# Altium PCB Battman.PcbDoc (part 2 of 5)
Units mm, origin at the board's own origin, x right, y up, seen from the top; angles counter-clockwise.
Board outline 110 x 68 mm, 6 copper layers (Top Layer, Mid Layer 1, Mid Layer 2, Mid Layer 3, Mid Layer 4, Bottom Layer), stack 1.235 mm thick; 358 components, 241 nets, 1126 pads, 1797 vias.
Unrouted connection lines stored in the file: 2.
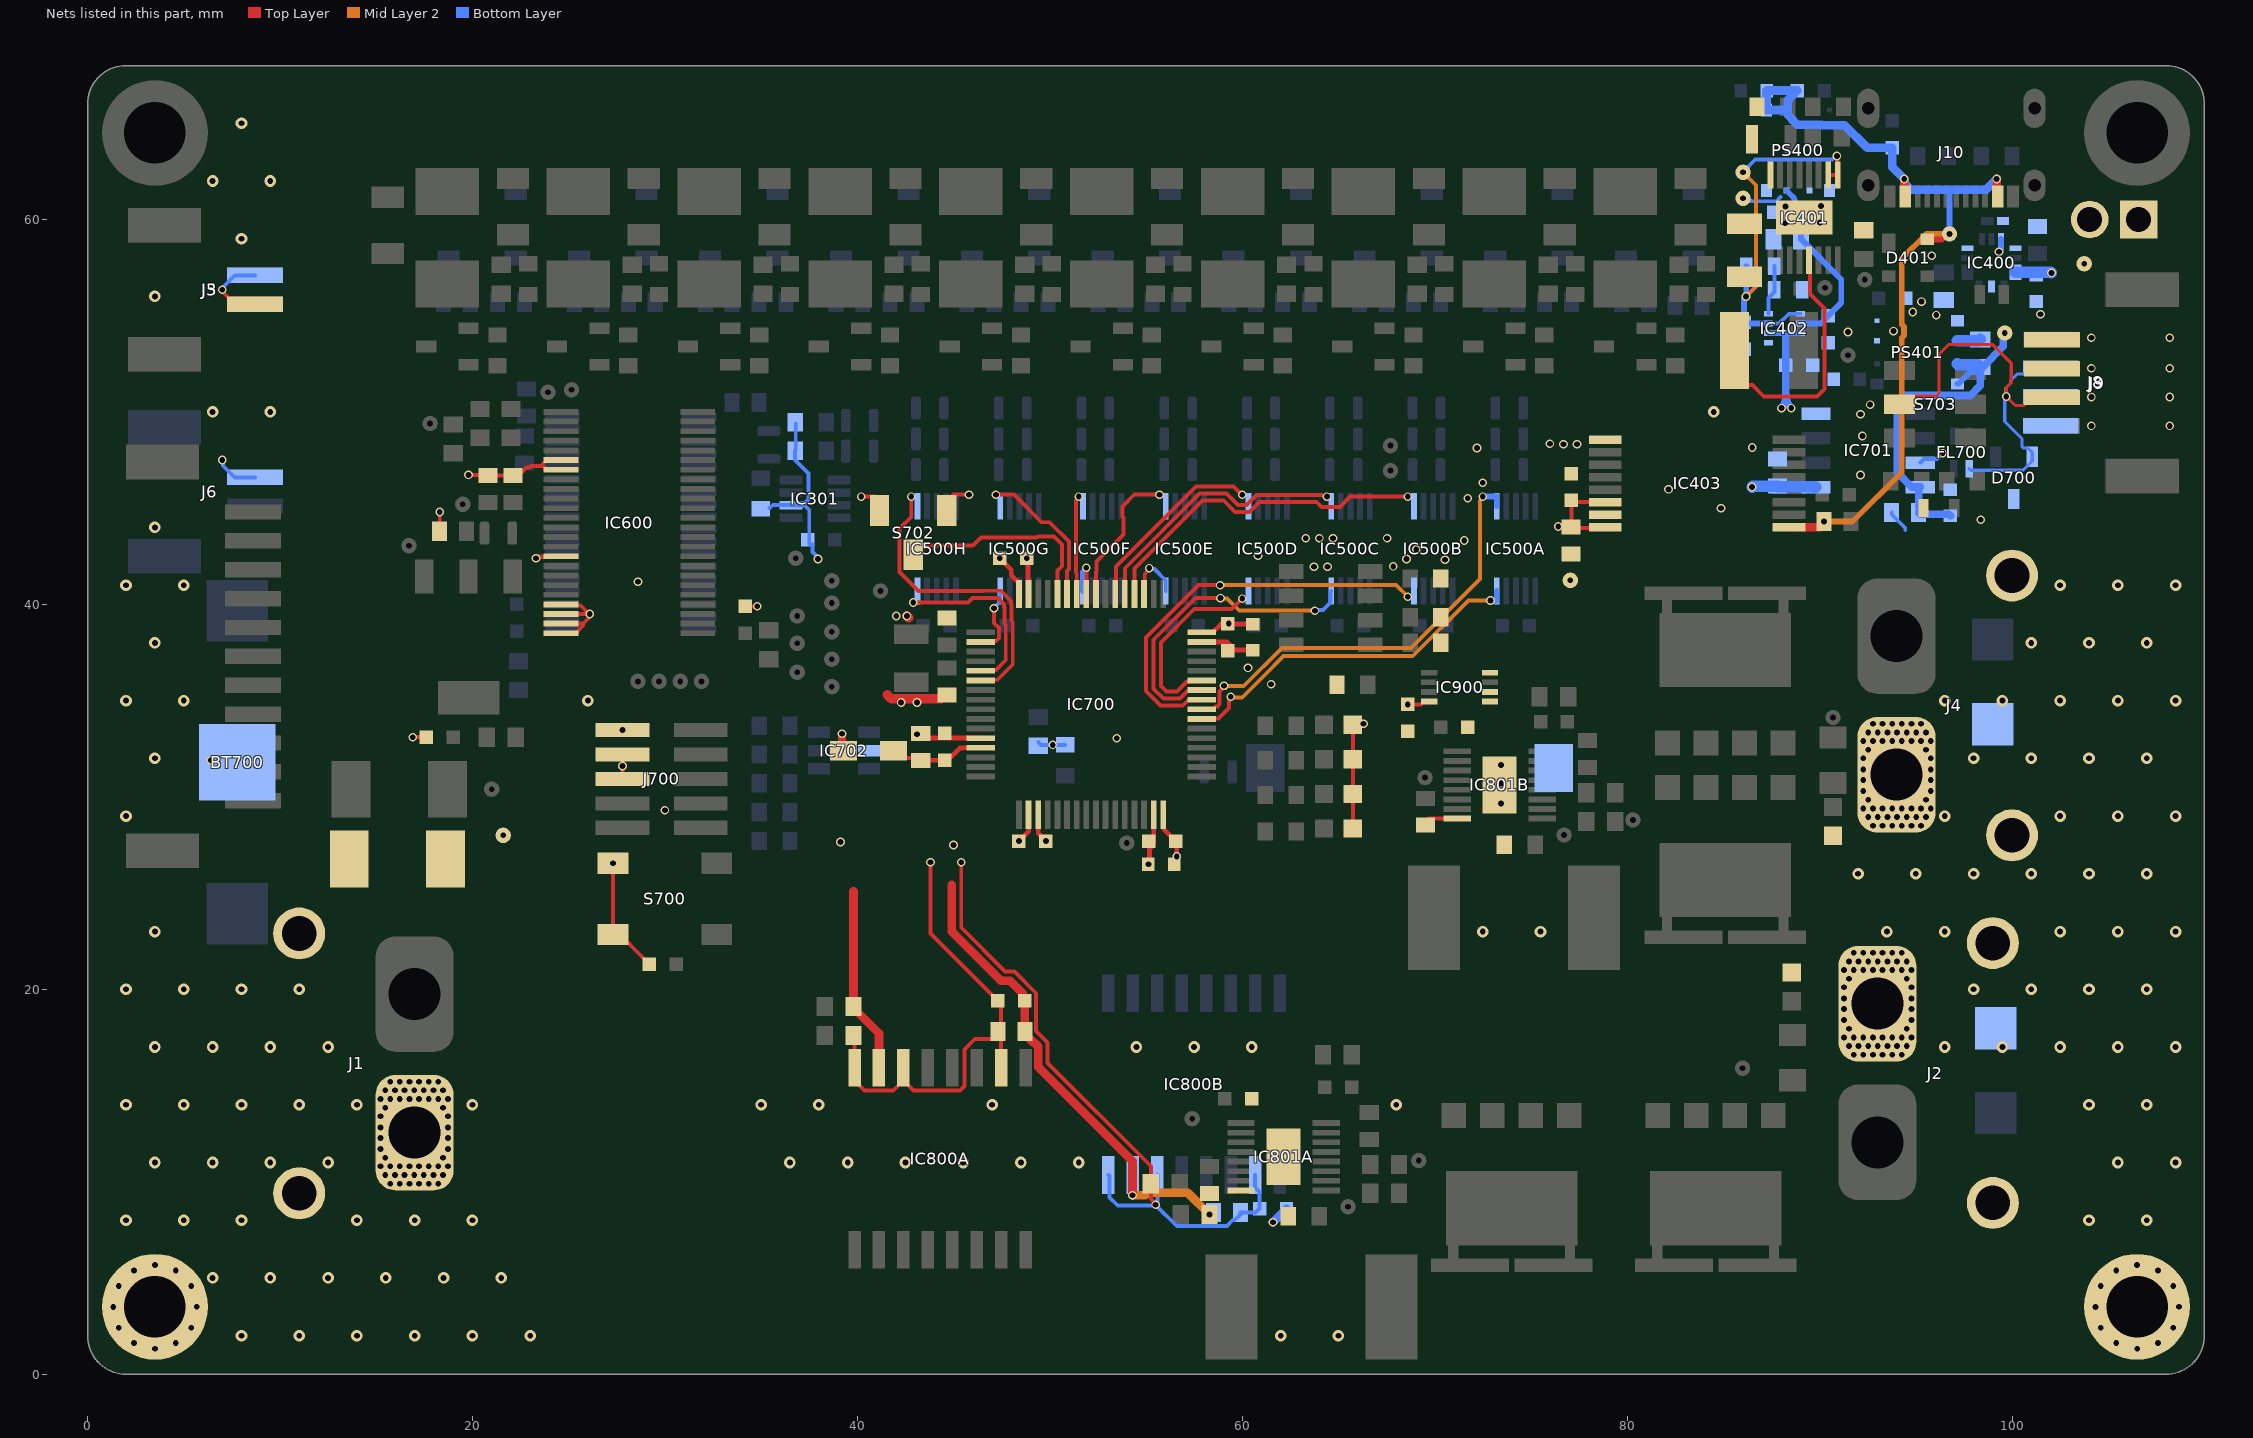
[diagram p6: the nets of this part, all layers, seen from the top]

## Footprints (in the part's own frame and the unit in brackets; to place one, negate y for a bottom-side part, rotate by r counter-clockwise, add the part's x,y. Pads: shape width x height; smd on the part's side, far side on the other; paste and mask are expansions set on the pad) (continued)
CONV_R05C1TF05S-R [mm]
  rect 0.254x0.254 smd paste-1 mask+0: 1(-1.637,2.087)
  rect 0.3x0.3 smd paste-1 mask+0: 2_3(-0.6,2.087) 4_5(0.6,2.087) 8_9(0.6,-2.087) 10_11(-0.6,-2.087)
  rect 0.575x0.675 smd: 6(1.637,2.087) 7(1.637,-2.087) 12(-1.637,-2.087)
  Top Layer region: -0.15,-2.425 -0.45,-2.425 -0.45,-2.3 -0.75,-2.3 -0.75,-2.425 -1.05,-2.425 -1.05,-1.75 -0.15,-1.75
  Top Layer region: -0.15,1.75 -1.05,1.75 -1.05,2.425 -0.75,2.425 -0.75,2.3 -0.45,2.3 -0.45,2.425 -0.15,2.425
  Top Layer region: 1.05,1.75 0.15,1.75 0.15,2.425 0.45,2.425 0.45,2.3 0.75,2.3 0.75,2.425 1.05,2.425
  Top Layer region: 1.05,-2.425 0.75,-2.425 0.75,-2.3 0.45,-2.3 0.45,-2.425 0.15,-2.425 0.15,-1.75 1.05,-1.75
  Top Layer region: -1.35,1.9 -1.5,1.75 -1.925,1.75 -1.925,2.425 -1.35,2.425
  silkscreen extent -2.6,-1.25 2,2.2, body extent -2,-2.51 2,2.49, height 1.12
CPT162580SMTTR [mm]
  rect 2.5x2 smd: 1(0,-7.5) 2(0,7.5)
  silkscreen extent -6.5,-9.1 6.5,6.5, body extent -6.5,-8.3 6.5,8.3, height 3.1
DFE18SAN1R0ME0L [mm]
  rect 0.55x1 smd: 1(-0.625,0) 2(0.625,0)
  silkscreen extent 0,-0.4 0,0.4, body extent -0.8,-0.4 0.8,0.4, height 0.8
DIOM5436X244N [mm]
  rect 2.2x2.15 smd: 1(-2.2,0) 2(2.2,0)
  silkscreen extent -3.27,-1.81 2.7,1.81, body extent -2.7,-1.81 2.7,1.81, height 2.44
ERA3AEB101V [mm]
  rect 0.65x0.9 smd: 1(-0.725,0) 2(0.725,0)
  silkscreen extent -1.35,-0.05 -1.25,0.05, body extent -0.8,-0.4 0.8,0.4, height 0.45
ERJP06D1000V [mm]
  rect 1.15x1.4 smd: 1(-1.175,0) 2(1.175,0)
  silkscreen extent -2.2,-0.1 -2,0.1, body extent -1,-0.63 1,0.63, height 0.6
FC135327680KAAG0 [mm]
  rect 1x1.8 smd: 1(-1.25,0) 2(1.25,0)
  silkscreen extent -2.3,-0.75 0.4,0.75, body extent -1.6,-0.75 1.6,0.75, height 0.9
FP-742792097-MFG [mm]
  rect 1.4x1 smd paste+0 mask+0: 1(-1.3,0) 2(1.3,0)
  silkscreen extent -1.1,-0.9 1.1,0.9
FTSH10501LDVK [mm]
  rect 0.74x2.79 smd: 1(-2.54,0) 2(-2.54,4.07) 3(-1.27,0) 4(-1.27,4.07) 5(0,0) 6(0,4.07) 7(1.27,0) 8(1.27,4.07) 9(2.54,0) 10(2.54,4.07)
  silkscreen extent -2.6,-2.25 -2.5,-2.15, body extent -3.18,-0.92 3.17,4.93, height 6.13
FUSC3215X66N [mm]
  rect 1.1x1.67 smd: 1(-1.46,0) 2(1.46,0)
  silkscreen extent 0,-0.66 0,0.66, body extent -1.59,-0.76 1.59,0.76, height 0.66
FUSC6127X294N [mm]
  rect 2.02x2.95 smd: 1(-2.5,0) 2(2.5,0)
  silkscreen extent 0,-1.24 0,1.24, body extent -3.05,-1.35 3.05,1.35, height 2.94
GRM18x [mm]
  rect 0.65x0.7 smd: 1(-0.675,0) 2(0.675,0)
  silkscreen extent 0,-0.4 0,0.4, body extent -0.8,-0.45 0.8,0.45, height 0.8
HDRV2W110P0X254_1X2_508X254X854P [mm]
  rect 1.95x1.95 hole 1.3: 1(0,0)
  round 1.95 hole 1.3: 2(2.54,0)
  silkscreen extent -1.35,-1.35 3.89,1.35, body extent -1.27,-1.27 3.81,1.27, height 8.54
LEDC1608X80N [mm]
  rect 0.95x0.95 smd: 1(-0.75,0) 2(0.75,0)
  silkscreen extent -1.58,-0.82 0.75,0.82, body extent -0.83,-0.4 0.77,0.4, height 0.7
MAJx16 [mm]
  rect 0.7x0.7 smd: 1(-0.7,0) 2(0.7,0)
  silkscreen extent -1.6,-0.4 0,0.4, body extent -0.98,-0.4 0.98,0.4, height 0.9
MAX77827BEFDT [mm]
  rect 0.625x0.3 smd mask+0.05: 1(-1.238,0.5) 2(-1.238,0) 3(-1.238,-0.5)
  rect 0.3x0.625 smd mask+0.05: 4(-0.75,-1.238) 5(-0.25,-1.238) 13(-0.25,1.237) 14(-0.75,1.237)
  rect 0.8x0.625 smd mask+0.05: 6(0.5,-1.238) 11(0.5,1.237)
  rect 0.625x0.35 smd mask+0.05: 8(1.237,-0.65) 9(1.237,0) 10(1.237,0.65)
  silkscreen extent -2.05,0.45 -1.95,0.55, body extent -1.25,-1.25 1.25,1.25, height 0.6
MJTP1140A [mm]
  rect 1.1x1.6 smd: 1(-1.85,-2.7) 1(1.85,-2.7) 2(-1.85,2.7) 2(1.85,2.7)
  silkscreen extent -2.2,-2.2 2.2,2.2, body extent -2.29,-3.39 2.29,3.39, height 1.6
PRTR5V0U2X [mm]
  rect 1x0.7 smd: 1(-0.75,-1)
  rect 0.6x0.7 smd: 2(0.95,-1) 3(0.95,1) 4(-0.95,1)
  silkscreen extent -1.7,-1.15 1.45,0.7, body extent -1.46,-1.2 1.44,1.2, height 0.95
QFP50P1200X1200X160-64N [mm]
  rect 1.475x0.3 smd mask+0.05: 1(-5.738,3.75) 2(-5.738,3.25) 3(-5.738,2.75) 4(-5.738,2.25) 5(-5.738,1.75) 6(-5.738,1.25) 7(-5.738,0.75) 8(-5.738,0.25) 9(-5.738,-0.25) 10(-5.738,-0.75) 11(-5.738,-1.25) 12(-5.738,-1.75) 13(-5.738,-2.25) 14(-5.738,-2.75) 15(-5.738,-3.25) 16(-5.738,-3.75) 33(5.738,-3.75) 34(5.738,-3.25) 35(5.738,-2.75) 36(5.738,-2.25) 37(5.738,-1.75) 38(5.738,-1.25) 39(5.738,-0.75) 40(5.738,-0.25) 41(5.738,0.25) 42(5.738,0.75) 43(5.738,1.25) 44(5.738,1.75) 45(5.738,2.25) 46(5.738,2.75) 47(5.738,3.25) 48(5.738,3.75)
  rect 0.3x1.475 smd mask+0.05: 17(-3.75,-5.738) 18(-3.25,-5.738) 19(-2.75,-5.738) 20(-2.25,-5.738) 21(-1.75,-5.738) 22(-1.25,-5.738) 23(-0.75,-5.738) 24(-0.25,-5.738) 25(0.25,-5.738) 26(0.75,-5.738) 27(1.25,-5.738) 28(1.75,-5.738) 29(2.25,-5.738) 30(2.75,-5.738) 31(3.25,-5.738) 32(3.75,-5.738) 49(3.75,5.738) 50(3.25,5.738) 51(2.75,5.738) 52(2.25,5.738) 53(1.75,5.738) 54(1.25,5.738) 55(0.75,5.738) 56(0.25,5.738) 57(-0.25,5.738) 58(-0.75,5.738) 59(-1.25,5.738) 60(-1.75,5.738) 61(-2.25,5.738) 62(-2.75,5.738) 63(-3.25,5.738) 64(-3.75,5.738)
  silkscreen extent -6.35,-4.65 4.65,4.65, body extent -6,-6 6,6, height 1.31
RESC0603X26N [mm]
  rect 0.625x0.4 smd mask+0.05: 1(-0.412,0) 2(0.412,0)
  body extent -0.3,-0.15 0.3,0.15, height 0.23
RESC1608X50N [mm]
  rect 0.85x1 smd: 1(-0.75,0) 2(0.75,0)
  body extent -0.77,-0.43 0.78,0.42, height 0.45
RESC1608X55N [mm]
  rect 0.8x0.95 smd: 1(-0.8,0) 2(0.8,0)
  silkscreen extent 0,-0.3 0,0.3, body extent -0.8,-0.4 0.8,0.4, height 0.55
RESC6331X80N [mm]
  rect 2.45x3.3 smd: 1(-2.4,0) 2(2.4,0)
  silkscreen extent 0,-1.45 0,1.45, body extent -3.15,-1.55 3.15,1.55, height 0.8
RESC10052X63N [mm]
  rect 2.7x5.45 smd: 1(-4.15,0) 2(4.15,0)
  silkscreen extent 0,-2.5 0,2.5, body extent -5,-2.6 5,2.6, height 0.63
SOD3716X135N [mm]
  rect 1.15x0.8 smd: 1(-1.75,0) 2(1.75,0)
  silkscreen extent -2.32,-0.8 1.35,0.8, body extent -1.86,-0.8 1.86,0.8, height 1.35
SOIC127P600X175-8N [mm]
  rect 1.525x0.65 smd: 1(-2.712,1.905) 2(-2.712,0.635) 3(-2.712,-0.635) 4(-2.712,-1.905) 5(2.712,-1.905) 6(2.712,-0.635) 7(2.712,0.635) 8(2.712,1.905)
  silkscreen extent -3.47,-2.45 1.6,2.58, body extent -3,-2.45 3,2.45, height 1.75
SOIC127P1030X265-16N [mm]
  rect 1.95x0.65 smd: 1(-4.725,4.445) 2(-4.725,3.175) 3(-4.725,1.905) 4(-4.725,0.635) 5(-4.725,-0.635) 6(-4.725,-1.905) 7(-4.725,-3.175) 8(-4.725,-4.445) 9(4.725,-4.445) 10(4.725,-3.175) 11(4.725,-1.905) 12(4.725,-0.635) 13(4.725,0.635) 14(4.725,1.905) 15(4.725,3.175) 16(4.725,4.445)
  silkscreen extent -5.7,-5.15 3.4,5.15, body extent -5.16,-5.2 5.16,5.19, height 2.57
SOLDERJUMPER [mm]
  rrect50% 1.2x0.5 smd paste-100 mask+0.1: 1(0,-0.775) 2(0,0.675)
  Top Layer region: -0.6,0.675 -0.6,-0.175 0,0.425 0.6,-0.175 0.6,0.675
  Top Layer region: -0.6,-0.475 0,0.125 0.6,-0.475 0.6,-0.775 -0.6,-0.775
SOP50P310X90-8N [mm]
  rect 0.85x0.3 smd mask+0.05: 1(-1.575,0.75) 2(-1.575,0.25) 3(-1.575,-0.25) 4(-1.575,-0.75) 5(1.575,-0.75) 6(1.575,-0.25) 7(1.575,0.25) 8(1.575,0.75)
  silkscreen extent -2,-1 0.8,1.25, body extent -1.55,-1 1.55,1, height 0.77
SOP50P490X110-10N [mm]
  rect 1.4x0.3 smd mask+0.05: 1(-2.2,1) 2(-2.2,0.5) 3(-2.2,0) 4(-2.2,-0.5) 5(-2.2,-1) 6(2.2,-1) 7(2.2,-0.5) 8(2.2,0) 9(2.2,0.5) 10(2.2,1)
  silkscreen extent -2.9,-1.5 1.15,1.5, body extent -2.45,-1.5 2.45,1.5, height 1.1
SOP50P490X110-17N [mm]
  rect 1.425x0.3 smd mask+0.05: 1(-2.212,1.75) 2(-2.212,1.25) 3(-2.212,0.75) 4(-2.212,0.25) 5(-2.212,-0.25) 6(-2.212,-0.75) 7(-2.212,-1.25) 8(-2.212,-1.75) 9(2.212,-1.75) 10(2.212,-1.25) 11(2.212,-0.75) 12(2.212,-0.25) 13(2.212,0.25) 14(2.212,0.75) 15(2.212,1.25) 16(2.212,1.75)
  rect 1.753x2.947 smd: 17(0,0)
  silkscreen extent -2.93,2.25 -1.5,2.25, body extent -2.45,-2.02 2.45,2.02, height 1.1
SOP50P780X200-48N [mm]
  rect 1.8x0.3 smd mask+0.05: 1(-3.55,5.75) 2(-3.55,5.25) 3(-3.55,4.75) 4(-3.55,4.25) 5(-3.55,3.75) 6(-3.55,3.25) 7(-3.55,2.75) 8(-3.55,2.25) 9(-3.55,1.75) 10(-3.55,1.25) 11(-3.55,0.75) 12(-3.55,0.25) 13(-3.55,-0.25) 14(-3.55,-0.75) 15(-3.55,-1.25) 16(-3.55,-1.75) 17(-3.55,-2.25) 18(-3.55,-2.75) 19(-3.55,-3.25) 20(-3.55,-3.75) 21(-3.55,-4.25) 22(-3.55,-4.75) 23(-3.55,-5.25) 24(-3.55,-5.75) 25(3.55,-5.75) 26(3.55,-5.25) 27(3.55,-4.75) 28(3.55,-4.25) 29(3.55,-3.75) 30(3.55,-3.25) 31(3.55,-2.75) 32(3.55,-2.25) 33(3.55,-1.75) 34(3.55,-1.25) 35(3.55,-0.75) 36(3.55,-0.25) 37(3.55,0.25) 38(3.55,0.75) 39(3.55,1.25) 40(3.55,1.75) 41(3.55,2.25) 42(3.55,2.75) 43(3.55,3.25) 44(3.55,3.75) 45(3.55,4.25) 46(3.55,4.75) 47(3.55,5.25) 48(3.55,5.75)
  silkscreen extent -4.45,-6.4 2.3,6.4, body extent -3.9,-6.4 3.9,6.4, height 2
SOP65P780X200-36N [mm]
  rect 1.8x0.45 smd mask+0.05: 1(-3.55,5.525) 2(-3.55,4.875) 3(-3.55,4.225) 4(-3.55,3.575) 5(-3.55,2.925) 6(-3.55,2.275) 7(-3.55,1.625) 8(-3.55,0.975) 9(-3.55,0.325) 10(-3.55,-0.325) 11(-3.55,-0.975) 12(-3.55,-1.625) 13(-3.55,-2.275) 14(-3.55,-2.925) 15(-3.55,-3.575) 16(-3.55,-4.225) 17(-3.55,-4.875) 18(-3.55,-5.525) 19(3.55,-5.525) 20(3.55,-4.875) 21(3.55,-4.225) 22(3.55,-3.575) 23(3.55,-2.925) 24(3.55,-2.275) 25(3.55,-1.625) 26(3.55,-0.975) 27(3.55,-0.325) 28(3.55,0.325) 29(3.55,0.975) 30(3.55,1.625) 31(3.55,2.275) 32(3.55,2.925) 33(3.55,3.575) 34(3.55,4.225) 35(3.55,4.875) 36(3.55,5.525)
  silkscreen extent -4.45,-6.4 2.3,6.4, body extent -3.9,-6.4 3.9,6.4, height 2
SOP65P1030X260-16N [mm]
  rect 1.7x0.45 smd mask+0.05: 1(-4.775,2.275) 2(-4.775,1.625) 3(-4.775,0.975) 4(-4.775,0.325) 5(-4.775,-0.325) 6(-4.775,-0.975) 7(-4.775,-1.625) 8(-4.775,-2.275) 9(4.775,-2.275) 10(4.775,-1.625) 11(4.775,-0.975) 12(4.775,-0.325) 13(4.775,0.325) 14(4.775,0.975) 15(4.775,1.625) 16(4.775,2.275)
  silkscreen extent -5.63,-2.93 3.57,2.93, body extent -5.15,-2.93 5.15,2.93, height 2.6
SOT65P280X145-8N [mm]
  rect 1.2x0.45 smd mask+0.05: 1(-1.25,0.975) 2(-1.25,0.325) 3(-1.25,-0.325) 4(-1.25,-0.975) 5(1.25,-0.975) 6(1.25,-0.325) 7(1.25,0.325) 8(1.25,0.975)
  silkscreen extent -1.85,-1.45 0.3,1.55, body extent -1.4,-1.45 1.4,1.45, height 1.45
SOT95P230X110-3N [mm]
  rect 1.05x0.6 smd: 1(-1.1,0.95) 2(-1.1,-0.95) 3(1.1,0)
  silkscreen extent -1.63,-1.45 0.23,1.5, body extent -1.2,-1.45 1.2,1.45, height 0.95
SOT95P280X145-6N [mm]
  rect 1.15x0.6 smd: 1(-1.3,0.95) 2(-1.3,0) 3(-1.3,-0.95) 4(1.3,-0.95) 5(1.3,0) 6(1.3,0.95)
  silkscreen extent -1.88,-1.46 0.38,1.6, body extent -1.4,-1.46 1.4,1.46, height 1.45
SOT230P700X180-4N [mm]
  rect 1.75x0.95 smd: 1(-3.15,2.3) 2(-3.15,0) 3(-3.15,-2.3)
  rect 1.75x3.2 smd: 2(3.15,0)
  silkscreen extent -4.03,-3.25 1.75,3.25, body extent -3.5,-3.25 3.5,3.25, height 1.68
SOTFL50P160X60-8N [mm]
  rect 0.475x0.3 smd mask+0.05: 1(-0.838,0.75) 2(-0.838,0.25) 3(-0.838,-0.25) 4(-0.838,-0.75) 5(0.838,-0.75) 6(0.838,-0.25) 7(0.838,0.25) 8(0.838,0.75)
  silkscreen extent -1.07,-1.05 0.25,1.15, body extent -0.8,-1.05 0.8,1.05, height 0.6
SQJQ160ET1_GE3 [mm]
  rect 1.28x1.3 smd: 1(-3,-3.895) 2(-1,-3.895) 2(1,-3.895) 2(3,-3.895)
  rect 0.534x0.69 smd: 3(-3.028,3.2) 3(3.028,3.2)
  rect 4.05x0.7 smd: 3(-2.175,3.895) 3(2.175,3.895)
  rect 6.82x3.85 smd: 3(0,0.93)
  silkscreen extent -3.95,-5.05 3.95,3.11, body extent -3.97,-4.48 4.03,4.18, height 1.91
TESTPOINT [mm]
  round 0.8 hole 0.3 mask+0.05: 1(0,0)
  silkscreen extent -0.56,-0.56 0.56,0.56
Testpoint [mm]
  round 0.8 hole 0.3 mask+0.05: 1(0,0)
  silkscreen extent -0.56,-0.56 0.56,0.56
VISM3 [mm]
  round 5.5 hole 3.2: 1(0,0)
VLS5045EX330M [mm]
  rect 1.5x4 smd: 1(-1.8,0) 2(1.8,0)
  silkscreen extent -2.5,-2.5 2.54,2.5, body extent -2.5,-2.5 2.5,2.5, height 4.5
XT60PWF [mm]
  rrect50% 6x4.05 hole 2.7: 1(0,0) 2(7.2,0)
  round 2.7 hole 1.8: 3(-3.15,6) 4(10.35,6)
  silkscreen extent -4.15,-0.03 11.35,15.35, body extent -4.15,-1.94 11.35,15.26, height 8.37
XT60PWM [mm]
  rrect50% 6x4.05 hole 2.7: 1(-3.6,0) 2(3.6,0)
  round 2.7 hole 1.8: M1(-6.75,6) M2(6.75,6)
  silkscreen extent -7.75,-1.85 7.75,16.35, body extent -7.95,-1.98 7.95,16.3, height 8.44

## Part data
BT700: "Battery", Manufacturer_Name="Keystone Electronics", Mouser Part Number=534-3000TR, Arrow Part Number=3000TR, Arrow Price/Stock=https://www.arrow.com/en/products/3000tr/keystone-electronics?utm_currency=USD&region=europe, Datasheet Link=https://www.keyelco.com/produchttps://www.mouser.co.za/datasheet/2/215/3000TR-742873.pdft-pdf.cfm?p=777, Height=3.43mm, Manufacturer_Part_Number=3000TR, Mouser Price/Stock=https://www.mouser.co.uk/ProductDetail/Keystone-Electronics/3000TR?qs=811De8TLL%252BeRUCmGL5ZsKg%3D%3D
C200A C200B C200C C200D C200E C200F C200G C200H C200I C200J C201A C201B C201C C201D C201E C201F C201G C201H C201I C201J: library part 06031C103K4Z2A, "Capacitor 10nF 100V X7R", Manufacturer_Name="Kyocera AVX", Mouser Part Number=581-06031C103K4Z2A, Arrow Part Number=06031C103K4Z2A, Arrow Price/Stock=https://www.arrow.com/en/products/06031c103k4z2a/avx, Datasheet Link=https://componentsearchengine.com/Datasheets/1/06031A100FAT2A.pdf, Height=0.9mm, Manufacturer_Part_Number=06031C103K4Z2A, Mouser Price/Stock=https://www.mouser.com/Search/Refine.aspx?Keyword=581-06031C103K4Z2A
C300 C302 C411 C412 C419 C601 C602 C603 C700 C801A C801B C804A C804B: library part 06035C105MAT2A, "Capacitor 1uF 50V X7R", Manufacturer_Name="Kyocera AVX", Mouser Part Number=581-06035C105MAT2A, Datasheet Link=https://componentsearchengine.com/Datasheets/1/06031A100FAT2A.pdf, Height=0.9mm, Manufacturer_Part_Number=06035C105MAT2A, Mouser Price/Stock=https://www.mouser.co.uk/ProductDetail/KYOCERA-AVX/06035C105MAT2A?qs=%252BdQmOuGyFcHMsevPtc6OZQ%3D%3D
C301: library part 06033A102FAT2A, "Capacitor 1nF 25V COG", Manufacturer_Name="Kyocera AVX", Mouser Part Number=581-06033A102F, Datasheet Link=https://componentsearchengine.com/Datasheets/1/06031A100FAT2A.pdf, Height=0.9mm, Manufacturer_Part_Number=06033A102FAT2A, Mouser Price/Stock=https://www.mouser.com/Search/Refine.aspx?Keyword=581-06033A102F
C303 C304 C401 C405 C406 C407 C408 C409 C410 C413 C416 C420 C500A C500B C500C C500D C500E C500F C500G C500H C600 C604 C701 C703 C704 C705 C707 C708 C800A C800B C803A C803B C805A C805B C900: library part MAJCH168BB7104KTEA01, "Capacitor 100nF, 100V, X7R", Manufacturer_Name="TAIYO YUDEN", Mouser Part Number=963-MAJCH168BB7104KT, Arrow Part Number=MAJCH168BB7104KTEA01, Arrow Price/Stock=https://www.arrow.com/en/products/majch168bb7104ktea01/taiyo-yuden?utm_currency=USD&region=nac, Datasheet Link=https://ds.yuden.co.jp/TYCOMPAS/or/detail?pn=MAJCH168BB7104KTEA01, Height=0.8mm, Manufacturer_Part_Number=MAJCH168BB7104KTEA01, Mouser Price/Stock=https://www.mouser.co.uk/ProductDetail/TAIYO-YUDEN/MAJCH168BB7104KTEA01?qs=ZcfC38r4PovaTBrG0IdezQ%3D%3D, Supplier 1=Mouser, Supplier Part Number 1=963-MAJCH168BB7104KT
C400 C415: library part GRM188Z71A106MA73D, "Capacitor", Manufacturer_Name="Murata Electronics", Mouser Part Number=81-GRM188Z71A106MA3D, Arrow Part Number=GRM188Z71A106MA73D, Arrow Price/Stock=https://www.arrow.com/en/products/grm188z71a106ma73d/murata-manufacturing?utm_currency=USD&region=europe, Datasheet Link=https://search.murata.co.jp/Ceramy/image/img/A01X/G101/ENG/GRM188Z71A106MA73-01A.pdf, Height=0.9mm, Manufacturer_Part_Number=GRM188Z71A106MA73D, Mouser Price/Stock=https://www.mouser.co.uk/ProductDetail/Murata-Electronics/GRM188Z71A106MA73D?qs=Y%252BBGkTaltXt4aDn0%2FsxyNQ%3D%3D
C402: library part GRM188R71H224KAC4J, "Capacitor", Manufacturer_Name="Murata Electronics", Mouser Part Number=81-GRM188R71H224KA4J, Arrow Part Number=GRM188R71H224KAC4J, Arrow Price/Stock=https://www.arrow.com/en/products/grm188r71h224kac4j/murata-manufacturing, Datasheet Link=https://search.murata.co.jp/Ceramy/image/img/A01X/G101/ENG/GRM188R71H224KAC4-01A.pdf, Height=0.9mm, Manufacturer_Part_Number=GRM188R71H224KAC4J, Mouser Price/Stock=https://www.mouser.co.uk/ProductDetail/Murata-Electronics/GRM188R71H224KAC4J?qs=jHkklCh7amjbWVXSvnFGBA%3D%3D
C403: library part C3216X5R1E336M160AC, "Capacitor 33uF 25V X5R", Manufacturer_Name=TDK, Mouser Part Number=810-C3216X5R1E336M, Arrow Part Number=C3216X5R1E336M160AC, Arrow Price/Stock=https://www.arrow.com/en/products/c3216x5r1e336m160ac/tdk, Datasheet Link=https://product.tdk.com/info/en/catalog/datasheets/mlcc_commercial_midvoltage_en.pdf, Height=1.8mm, Manufacturer_Part_Number=C3216X5R1E336M160AC, Mouser Price/Stock=https://www.mouser.co.uk/ProductDetail/TDK/C3216X5R1E336M160AC?qs=LcTL%2F5vFEzFIMvFz4LzwTw%3D%3D
C404: library part C2012X7R2A225K125AC, "Capacitor 2.2 uF, 100V, X7R", Manufacturer_Name=TDK, Mouser Part Number=810-C2012X7R2225K125, Arrow Part Number=C2012X7R2A225K125AC, Arrow Price/Stock=https://www.arrow.com/en/products/c2012x7r2a225k125ac/tdk?utm_currency=USD&region=nac, Datasheet Link=https://product.tdk.com/info/en/catalog/datasheets/mlcc_commercial_midvoltage_en.pdf, Height=1.45mm, Manufacturer_Part_Number=C2012X7R2A225K125AC, Mouser Price/Stock=https://www.mouser.co.uk/ProductDetail/TDK/C2012X7R2A225K125AC?qs=17ckDYBRdekDf%2FwiwHq7Mg%3D%3D, Supplier 1=Mouser, Supplier Part Number 1=810-C2012X7R2225K125
C414 C418 C421: library part CL10A226MP8NUNE, "Capacitor", Manufacturer_Name=SAMSUNG, Mouser Part Number=187-CL10A226MP8NUNE, Arrow Part Number=CL10A226MP8NUNE, Arrow Price/Stock=https://www.arrow.com/en/products/cl10a226mp8nune/samsung-electro-mechanics?region=europe, Datasheet Link=https://datasheet.datasheetarchive.com/originals/distributors/Datasheets-DGA10/2407063.pdf, Height=1.05mm, Manufacturer_Part_Number=CL10A226MP8NUNE, Mouser Price/Stock=https://www.mouser.co.uk/ProductDetail/Samsung-Electro-Mechanics/CL10A226MP8NUNE?qs=gRKWieUq2Hb5O0PTfRKzDQ%3D%3D
C702 C706 C709: library part GRM188Z71A475KE15J, "Capacitor  4.7uF, 10V, X7R", Manufacturer_Name="Murata Electronics", Mouser Part Number=81-GRM188Z71A475KE5J, Datasheet Link=https://search.murata.co.jp/Ceramy/image/img/A01X/G101/ENG/GRM188Z71A475KE15-01A.pdf, Height=0.9mm, Manufacturer_Part_Number=GRM188Z71A475KE15J, Mouser Price/Stock=https://www.mouser.co.uk/ProductDetail/Murata-Electronics/GRM188Z71A475KE15J?qs=Ey7%2FXF42M3fe52ZB0l7gLw%3D%3D, Supplier 1=Mouser, Supplier Part Number 1=81-GRM188Z71A475KE5J
C710 C712: library part HMK107BJ104KA-T, "Capacitor 100nF X5R 100VDC", Manufacturer_Name="TAIYO YUDEN", Mouser Part Number=963-HMK107BJ104KA-T, Datasheet Link=https://ds.yuden.co.jp/TYCOMPAS/jp/specSheet?pn=MSASH168SB5104KTNA01, Height=0.9mm, Manufacturer_Part_Number=HMK107BJ104KA-T, Mouser Price/Stock=https://www.mouser.co.uk/ProductDetail/Taiyo-Yuden/HMK107BJ104KA-T?qs=I6KAKw0tg2wpEwZmo3gKZg%3D%3D
C713: library part C1608X7R2A472K080AA, "Capacitor 4.7nF 100V X7R", Manufacturer_Name=TDK, Mouser Part Number=810-C1608X7R2A472K, Arrow Part Number=C1608X7R2A472K080AA, Arrow Price/Stock=https://www.arrow.com/en/products/c1608x7r2a472k080aa/tdk?utm_currency=USD&region=nac, Datasheet Link=https://product.tdk.com/info/en/catalog/datasheets/mlcc_commercial_midvoltage_en.pdf, Height=0.8mm, Manufacturer_Part_Number=C1608X7R2A472K080AA, Mouser Price/Stock=https://www.mouser.co.uk/ProductDetail/TDK/C1608X7R2A472K080AA/?qs=NRhsANhppD8eiVaujK4TFA%3D%3D
C714 C715: library part 06035A100BAT2A, "Capacitor 10pF 50V C0G", Manufacturer_Name="Kyocera AVX", Mouser Part Number=581-06035A100BAT2A, Datasheet Link=https://componentsearchengine.com/Datasheets/1/06031A100FAT2A.pdf, Height=0.9mm, Manufacturer_Part_Number=06035A100BAT2A, Mouser Price/Stock=https://www.mouser.com/Search/Refine.aspx?Keyword=581-06035A100BAT2A
C802A C802B: library part CGA3E1X7R1V684K080AC, "Capacitor 680nF, 35V, X7R", Manufacturer_Name=TDK, Mouser Part Number=810-CGA3E1X7R1V684KC, Datasheet Link=http://docs-europe.electrocomponents.com/webdocs/14e9/0900766b814e9125.pdf, Height=0.9mm, Manufacturer_Part_Number=CGA3E1X7R1V684K080AC, Supplier 1=Mouser, Supplier Part Number 1=810-CGA3E1X7R1V684KC
D401: "Diode", Manufacturer_Name=Nexperia, Mouser Part Number=771-PRTR5V0U2X-T/R, Arrow Part Number=PRTR5V0U2X,215, Arrow Price/Stock=https://www.arrow.com/en/products/prtr5v0u2x215/nexperia?utm_currency=USD&region=europe, Datasheet Link=https://assets.nexperia.com/documents/data-sheet/PRTR5V0U2X.pdf, Height=1.1mm, Manufacturer_Part_Number=PRTR5V0U2X,215, Mouser Price/Stock=https://www.mouser.co.uk/ProductDetail/Nexperia/PRTR5V0U2X215?qs=LOCUfHb8d9sDkgY4cRj8Lw%3D%3D
D700: "Diode", Manufacturer_Name=Nexperia, Mouser Part Number=771-PESD2CANFD27V-TR, Arrow Part Number=PESD2CANFD27V-TR, Arrow Price/Stock=null?utm_currency=USD&region=nac, Datasheet Link=https://assets.nexperia.com/documents/data-sheet/PESD2CANFD27V-T.pdf, Height=1.1mm, Manufacturer_Part_Number=PESD2CANFD27V-TR, Mouser Price/Stock=https://www.mouser.co.uk/ProductDetail/Nexperia/PESD2CANFD27V-TR?qs=OlC7AqGiEDlVVUGGaoaotA%3D%3D
D800A D800B: "Diode", Manufacturer_Name=LITTELFUSE, Mouser Part Number=576-SMBJ43A, Arrow Part Number=SMBJ43A, Arrow Price/Stock=https://www.arrow.com/en/products/smbj43a/littelfuse?region=nac, Datasheet Link=https://componentsearchengine.com/Datasheets/2/SMBJ43A.pdf, Height=2.44mm, Manufacturer_Part_Number=SMBJ43A, Mouser Price/Stock=https://www.mouser.co.uk/ProductDetail/Littelfuse/SMBJ43A?qs=zHiv0nsVGmoMbQaEc1ZdvQ%3D%3D
F1 F2: "Fuse", Manufacturer_Name=LITTELFUSE, Mouser Part Number=576-0448.500MR, Arrow Part Number=0448.500MR, Arrow Price/Stock=https://www.arrow.com/en/products/0448.500mr/littelfuse, Datasheet Link=https://www.mouser.in/datasheet/2/240/Littelfuse_Fuse_448_Datasheet_pdf-970935.pdf, Height=2.94mm, Manufacturer_Part_Number=0448.500MR, Mouser Price/Stock=https://www.mouser.co.uk/ProductDetail/Littelfuse/0448.500MR?qs=sba%2FvSn%252BnuOI9c6%252BQVFrGA%3D%3D
F100 F200A F200B F200C F200D F200E F200F F200G F200H F200I F200J: "Fuse", Manufacturer_Name=LITTELFUSE, Mouser Part Number=576-0466.250NR, Arrow Part Number=0466.250NR, Arrow Price/Stock=https://www.arrow.com/en/products/0466.250nr/littelfuse?region=nac, Datasheet Link=http://www.littelfuse.com/~/media/electronics/datasheets/fuses/littelfuse_fuse_466_datasheet.pdf.pdf, Height=0.66mm, Manufacturer_Part_Number=0466.250NR, Mouser Price/Stock=https://www.mouser.co.uk/ProductDetail/Littelfuse/0466.250NR?qs=OJFHm2hVE4FeDcEECJ4GEQ%3D%3D
FB700: library part CMP-0220-00149-2, "FERRITE BEAD 1.5 KOHM 0805 1LN", Case Code (Imperial)=0805, Case Code (Metric)=2012, Case/Package=SMD/SMT, Current Rating=1A, DC Resistance (DCR)=300mΩ, Inductance=1.8nH, Max Operating Temperature=125°C, Min Operating Temperature=-55°C, Package Quantity=4000, Test Frequency=100MHz, Tolerance=25%, Core Material=Ferrite, Depth=1.2mm, Height=0.9mm, Impedance=1.5kR, Lead Free="Lead Free", Length=2mm, Material=Ferrite, Max Current Rating=1A, Max DC Current=1A, Mount="Surface Mount", Number of Lines=1, Packaging="Tape and Reel", RoHS Compliant=Yes, Series=WE-CBF, Termination=SMD/SMT, Weight=0.000388oz, Width=1.2mm
FL700: "Filter", Manufacturer_Name=Eaton, Mouser Part Number=504-ACE1V2012-121-R, Datasheet Link=https://www.eaton.com/content/dam/eaton/products/electronic-components/resources/data-sheet/eaton-ace1v2012-automotive-common-mode-chip-inductor-data-sheet.pdf, Height=1.4mm, Manufacturer_Part_Number=ACE1V2012-121-R, Mouser Price/Stock=https://www.mouser.co.uk/ProductDetail/Coiltronics-Eaton/ACE1V2012-121-R?qs=YwPsRIUVAOfYW6FI0EMgkw%3D%3D
IC300: "Integrated Circuit", Manufacturer_Name="Analog Devices", Mouser Part Number=584-LTC6801IG#3ZZPBF, Arrow Part Number=LTC6801IG#3ZZPBF, Arrow Price/Stock=https://www.arrow.com/en/products/ltc6801ig3zzpbf/analog-devices, Datasheet Link=https://www.analog.com/LTC6801/datasheet, Height=2mm, Manufacturer_Part_Number=LTC6801IG#3ZZPBF, Mouser Price/Stock=https://www.mouser.com/Search/Refine.aspx?Keyword=584-LTC6801IG%233ZZPBF
IC301: "Integrated Circuit", Arrow Part Number=MAX6369KA/V+T, Manufacturer_Name="Analog Devices", Mouser Part Number=700-MAX6369KA/V+T, Arrow Price/Stock=https://www.arrow.com/en/products/max6369kavt/maxim-integrated?region=nac, Datasheet Link=https://pdfserv.maximintegrated.com/en/ds/MAX6369-MAX6374.pdf, Height=1.45mm, Manufacturer_Part_Number=MAX6369KA/V+T, Mouser Price/Stock=https://www.mouser.co.uk/ProductDetail/Analog-Devices-Maxim-Integrated/MAX6369KA-V%2bT?qs=Mc2rGIXtnyXSLiZoc8BdSg%3D%3D
IC400: "Integrated Circuit", Manufacturer_Name="Analog Devices", Mouser Part Number=700-MAX77827BEFD+T, Arrow Part Number=MAX77827BEFD+T, Arrow Price/Stock=https://www.arrow.com/en/products/max77827befdt/analog-devices?utm_currency=USD&region=nac, Datasheet Link=https://www.analog.com/media/en/technical-documentation/data-sheets/MAX77827.pdf, Height=0.6mm, Manufacturer_Part_Number=MAX77827BEFD+T, Mouser Price/Stock=https://www.mouser.co.uk/ProductDetail/Analog-Devices-Maxim-Integrated/MAX77827BEFD%2bT?qs=yqaQSyyJnNgFOTHEkqA3ww%3D%3D
IC401: "Integrated Circuit", Manufacturer_Name="Analog Devices", Mouser Part Number=584-3990IMSE-3.3PBF, Arrow Part Number=LT3990IMSE-3.3#PBF, Arrow Price/Stock=https://www.arrow.com/en/products/lt3990imse-3.3pbf/analog-devices?region=nac, Datasheet Link=https://www.analog.com/LT3990/datasheet, Height=1.1mm, Manufacturer_Part_Number=LT3990IMSE-3.3#PBF, Mouser Price/Stock=https://www.mouser.co.uk/ProductDetail/Analog-Devices/LT3990IMSE-3.3PBF?qs=hVkxg5c3xu8pU5y8AinUWQ%3D%3D
IC402: "Integrated Circuit", Manufacturer_Name="Texas Instruments", Mouser Part Number=595-TPS2116DRLR, Arrow Part Number=TPS2116DRLR, Arrow Price/Stock=https://www.arrow.com/en/products/tps2116drlr/texas-instruments?utm_currency=USD&region=nac, Datasheet Link=https://www.ti.com/lit/gpn/tps2116, Height=0.6mm, Manufacturer_Part_Number=TPS2116DRLR, Mouser Price/Stock=https://www.mouser.co.uk/ProductDetail/Texas-Instruments/TPS2116DRLR?qs=aP1CjGhiNiGo3XAyXcVPaQ%3D%3D
IC403: "Integrated Circuit", Manufacturer_Name="Texas Instruments", Mouser Part Number=595-ISOUSB111DWXR, Arrow Part Number=ISOUSB111DWXR, Arrow Price/Stock=https://www.arrow.com/en/products/isousb111dwxr/texas-instruments?region=nac, Datasheet Link=https://www.ti.com/lit/ds/symlink/isousb111.pdf?ts=1669697942868&ref_url=https%253A%252F%252Fwww.ti.com%252Fproduct%252FISOUSB111%253FkeyMatch%253DISOUSB111DWXR%2526tisearch%253Dsearch-everything%2526usecase%253DOPN, Height=2.6mm, Manufacturer_Part_Number=ISOUSB111DWXR, Mouser Price/Stock=https://www.mouser.co.uk/ProductDetail/Texas-Instruments/ISOUSB111DWXR?qs=Y0Uzf4wQF3msEozH7EwD3g%3D%3D
IC500A IC500B IC500C IC500D IC500E IC500F IC500G IC500H: "Integrated Circuit", Manufacturer_Name="Analog Devices", Mouser Part Number=584-ADG704BRMZ, Arrow Part Number=ADG704BRMZ, Arrow Price/Stock=https://www.arrow.com/en/products/adg704brmz/analog-devices?utm_currency=USD&region=nac, Datasheet Link=https://datasheet.datasheetarchive.com/originals/distributors/Datasheets-4/DSA-69549.pdf, Height=1.1mm, Manufacturer_Part_Number=ADG704BRMZ, Mouser Price/Stock=https://www.mouser.co.uk/ProductDetail/Analog-Devices/ADG704BRMZ?qs=BpaRKvA4VqEkN1EGAKO1Aw%3D%3D
IC600: "Integrated Circuit", Manufacturer_Name="Analog Devices", Mouser Part Number=584-LTC6811IG-2#PBF, Arrow Part Number=LTC6811IG-2#PBF, Arrow Price/Stock=https://www.arrow.com/en/products/ltc6811ig-2pbf/analog-devices?region=nac, Datasheet Link=https://datasheet.datasheetarchive.com/originals/distributors/DKDS42/DSANUWW0041878.pdf, Height=2mm, Manufacturer_Part_Number=LTC6811IG-2#PBF, Mouser Price/Stock=https://www.mouser.co.uk/ProductDetail/Analog-Devices/LTC6811IG-2PBF?qs=oahfZPh6IAI0fFYgAupCpg%3D%3D
IC700: "Integrated Circuit", Manufacturer_Name=STMicroelectronics, Mouser Part Number=511-STM32L552RET6, Arrow Part Number=STM32L552RET6, Arrow Price/Stock=https://www.arrow.com/en/products/stm32l552ret6/stmicroelectronics?region=nac, Datasheet Link=https://www.mouser.in/datasheet/2/389/dm00532748-1799512.pdf, Height=1.6mm, Manufacturer_Part_Number=STM32L552RET6, Mouser Price/Stock=https://www.mouser.co.uk/ProductDetail/STMicroelectronics/STM32L552RET6?qs=%252B6g0mu59x7I6Ku2G1CuBXA%3D%3D
IC701: "Integrated Circuit", Manufacturer_Name="Texas Instruments", Mouser Part Number=595-ISO1044BDR, Arrow Part Number=ISO1044BDR, Arrow Price/Stock=https://www.arrow.com/en/products/iso1044bdr/texas-instruments?utm_currency=USD&region=nac, Datasheet Link=http://www.ti.com/lit/gpn/iso1044?HQS=ti-null-null-sf-df-pf-sep-wwe&DCM=yes, Height=1.75mm, Manufacturer_Part_Number=ISO1044BDR, Mouser Price/Stock=https://www.mouser.co.uk/ProductDetail/Texas-Instruments/ISO1044BDR?qs=DuoOggApuK9UGD9QQWYeTA%3D%3D
IC702: "Integrated Circuit", Manufacturer_Name=STMicroelectronics, Mouser Part Number=511-ESDA6V1-5SC6, Arrow Part Number=ESDA6V1-5SC6, Arrow Price/Stock=https://www.arrow.com/en/products/esda6v1-5sc6/stmicroelectronics?region=nac, Datasheet Link=http://www.st.com/st-web-ui/static/active/en/resource/technical/document/datasheet/CD00005102.pdf, Height=1.45mm, Manufacturer_Part_Number=ESDA6V1-5SC6, Mouser Price/Stock=https://www.mouser.co.uk/ProductDetail/STMicroelectronics/ESDA6V1-5SC6?qs=ZN9SVtODT3yxqNpCUKP6Bg%3D%3D
IC800A IC800B: "Integrated Circuit", Manufacturer_Name="Allegro Microsystems", Mouser Part Number=250-37002KMABTR050B3, Datasheet Link=https://www.allegromicro.com/-/media/files/datasheets/acs37002-datasheet.ashx?sc_lang=en&hash=FFD236A6D18C7717C5A7906548FB48D2, Height=2.65mm, Manufacturer_Part_Number=ACS37002KMABTR-050B3, Mouser Price/Stock=https://www.mouser.co.uk/ProductDetail/Allegro-MicroSystems/ACS37002KMABTR-050B3?qs=pUKx8fyJudCSE%2FoW6XxDYQ%3D%3D
IC801A IC801B: "Integrated Circuit", Manufacturer_Name="Analog Devices", Mouser Part Number=584-LTC7000EMSEPBF, Arrow Part Number=LTC7000EMSE#PBF, Arrow Price/Stock=https://www.arrow.com/en/products/ltc7000emsepbf/analog-devices?region=nac, Datasheet Link=https://www.analog.com/media/en/technical-documentation/data-sheets/ltc7000-7000-1.pdf, Height=1.1mm, Manufacturer_Part_Number=LTC7000EMSE#PBF, Mouser Price/Stock=https://www.mouser.co.uk/ProductDetail/Analog-Devices/LTC7000EMSEPBF?qs=BZBei1rCqCABaEvAxqf5Sw%3D%3D
IC900: "Integrated Circuit", Manufacturer_Name="Texas Instruments", Mouser Part Number=595-74LVC2G74DCUTE4, Arrow Part Number=SN74LVC2G74DCUTE4, Arrow Price/Stock=https://www.arrow.com/en/products/sn74lvc2g74dcute4/texas-instruments, Datasheet Link=https://www.ti.com/lit/ds/symlink/sn74lvc2g74.pdf?ts=1620105032147&ref_url=https%253A%252F%252Fwww.ti.com%252Fsitesearch%252Fdocs%252Funiversalsearch.tsp%253FsearchTerm%253DSN74LVC2G74DCURE4, Height=0.9mm, Manufacturer_Part_Number=SN74LVC2G74DCUTE4, Mouser Price/Stock=https://www.mouser.co.uk/ProductDetail/Texas-Instruments/SN74LVC2G74DCUTE4?qs=0smPjiIwnfLoccl5Dt0mHg%3D%3D
J1 J2: "Connector", Manufacturer_Name="Changzou Amass Elec", Datasheet Link=https://www.tme.eu/Document/9b8d0c5eb7094295f3d3112c214d3ade/XT60PW%20SPEC.pdf, Height=8.4mm, Manufacturer_Part_Number=XT60PW-M
J3 J5 J6: "Connector", Manufacturer_Name=Molex, Mouser Part Number=538-502585-0270, Arrow Part Number=502585-0270, Arrow Price/Stock=https://www.arrow.com/en/products/502585-0270/molex, Datasheet Link=https://www.molex.com/pdm_docs/sd/5025850270_sd.pdf, Height=6.35mm, Manufacturer_Part_Number=502585-0270, Mouser Price/Stock=https://www.mouser.co.uk/ProductDetail/Molex/502585-0270?qs=3OKVfsn1b5AIV0Cqykd0DA%3D%3D